# Altium PCB YA-S-PCB-V1.0.PcbDoc
Units mm, origin at the board's own origin, x right, y up, seen from the top; angles counter-clockwise.
Board outline 100.13 x 68.03 mm, 2 copper layers (Top Layer, Bottom Layer); 92 components, 56 nets, 295 pads, 313 vias.
Unrouted connection lines stored in the file: 1.
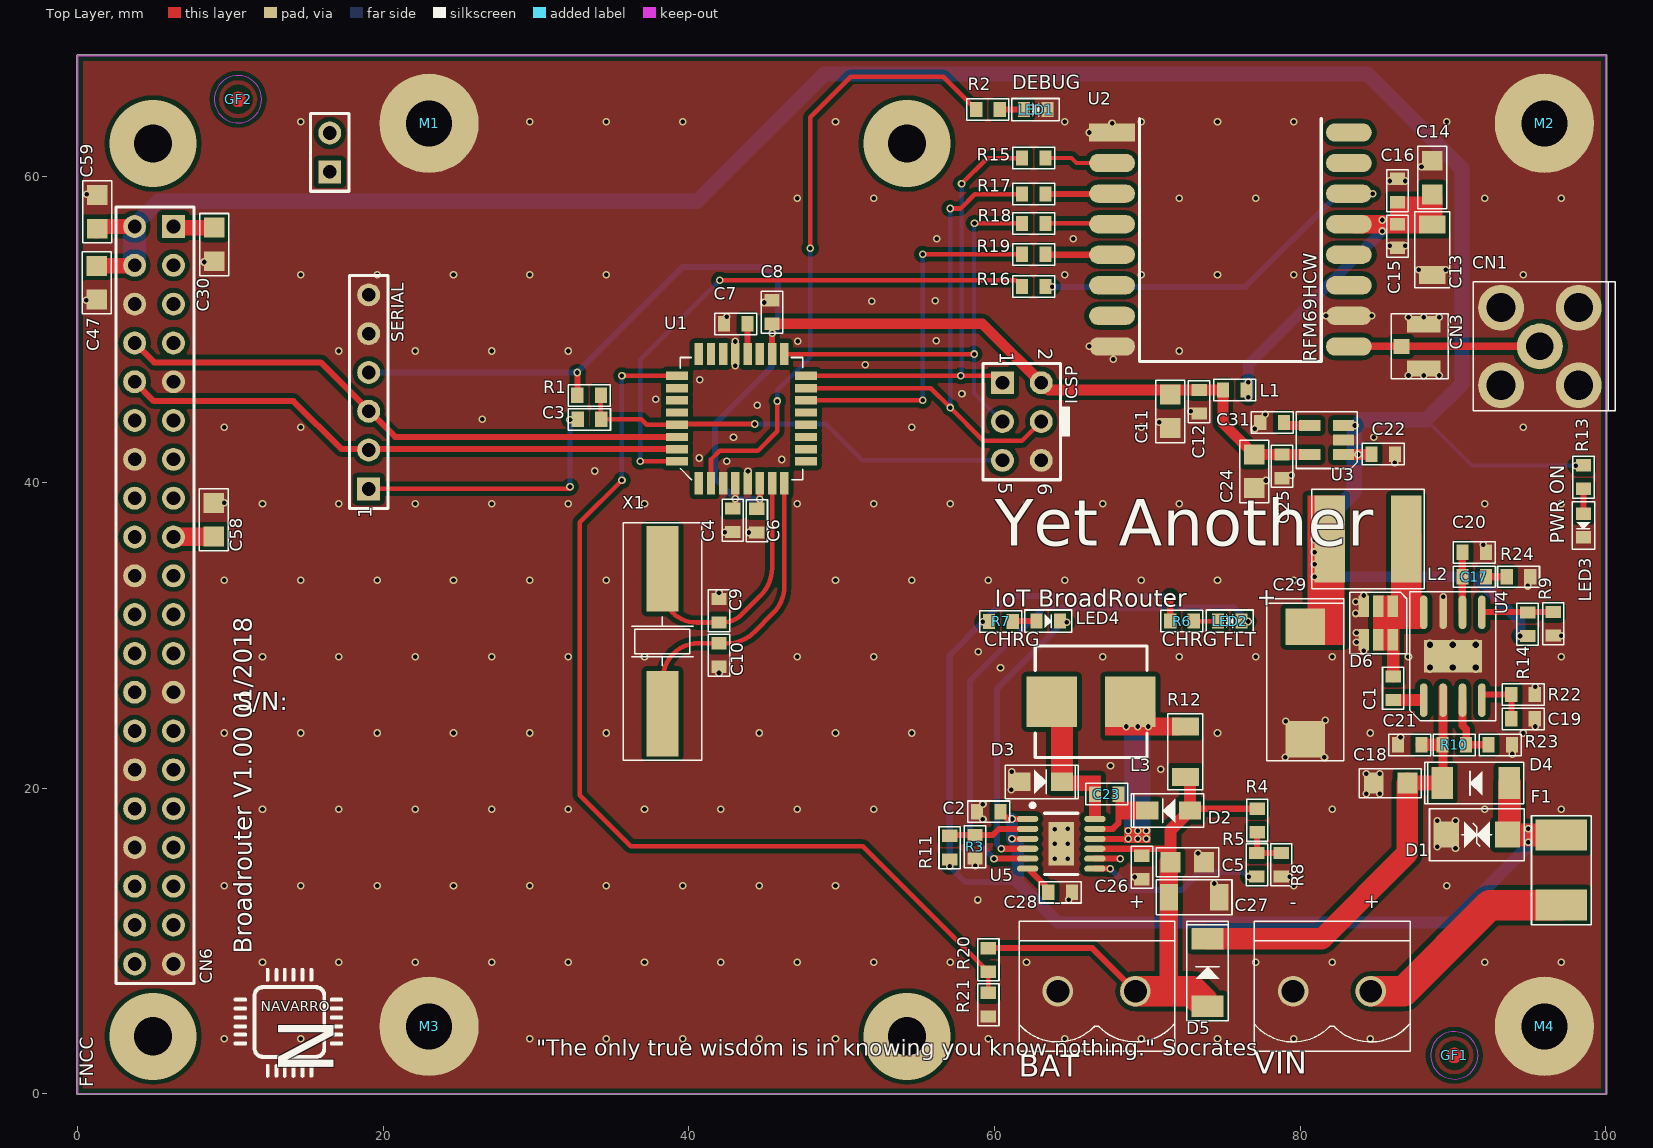
[diagram p0: Top Layer view]
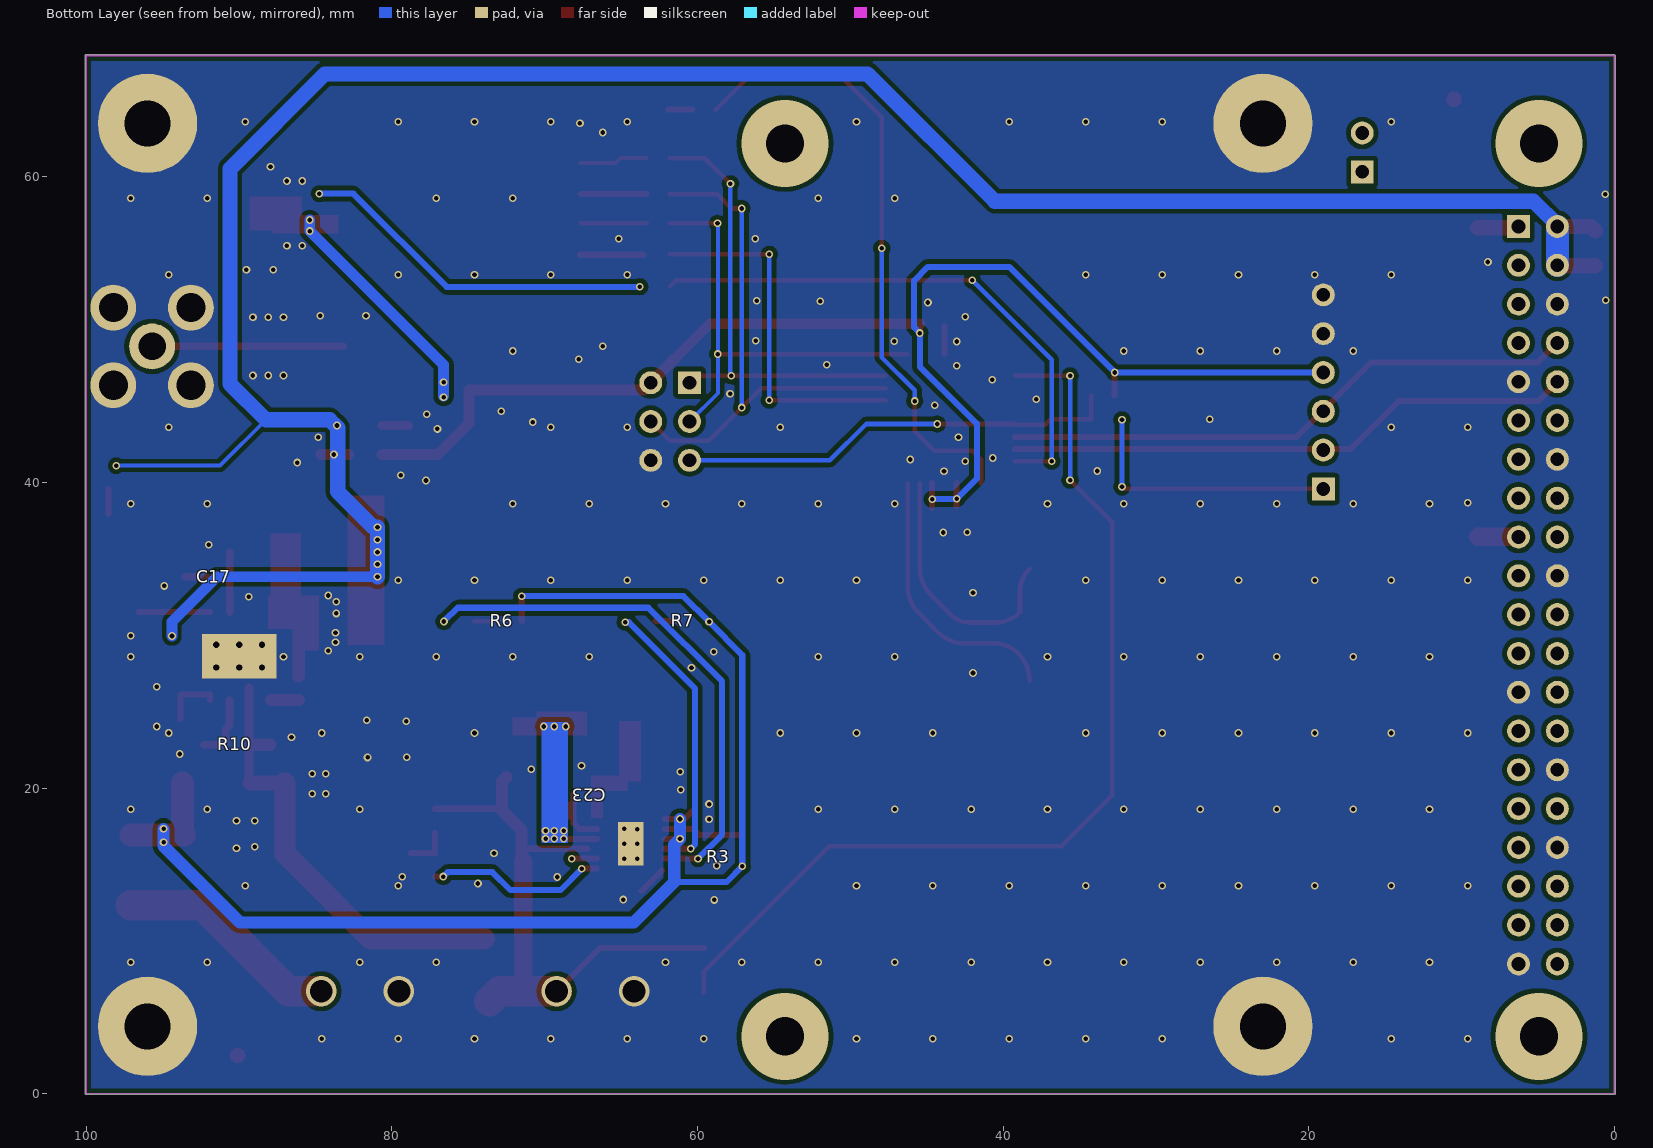
[diagram p1: Bottom Layer view, seen from below]

## Layer stack, top to bottom
Top Solder: solder mask 0.0102, Solder Resist, Dk 3.5
Top Layer: signal copper 0.0356
Dielectric 1: dielectric 0.32, FR-4, Dk 4.8
Bottom Layer: signal copper 0.0356
Bottom Solder: solder mask 0.0102, Solder Resist, Dk 3.5

## Board outline
0,-0.05 cw(c0,0) -0.05,0 -0.05,67.933 cw(c0,67.933) 0,67.983 100.025,67.983 cw(c100.025,67.933) 100.075,67.933 100.075,0 cw(c100.025,0) 100.025,-0.05

## Design rules (kind name [scope] priority, off if disabled: settings)
Clearance [All] p1: gap=0.3 ignorepadtopadclearanceinfootprint=FALSE except(0: Arc-Hole Track-Hole SMDPad-Hole THPad-Hole Via-Hole Fill-Hole Poly-Hole Region-Hole Text-Hole)
PolygonConnect [All] p1: connectstyle=Direct reliefconductorwidth=0.254 reliefentries=4 polygonreliefangle="90 Angle" airgapwidth=0.254
RoutingVias [All] p1: holewidth=0.711 width=1.27 viastyle="Through Hole" minholewidth=0.711 minwidth=1.27 maxholewidth=0.711 maxwidth=1.27
SolderMaskExpansion [All] p1: expansion=0.102
Width [All] p1: maxlimit=10 minlimit=0.254 preferedwidth=0.254 minimp=50.000000 maximp=50.000000 favimp=50.000000
30 further rules are at their usual default settings.

## Classes and differential pairs
component class EnviMote-S-Bloco-V1.0: GF1 GF2 M1 M2 M3 M4
component class Microcontrolador: C3 C4 C6 C7 C8 C9 C10 ICSP LED1 R1 R2 R20 R21 SERIAL U1 X1
component class Radio: C11 C12 C13 C14 C15 C16 CN1 CN3 L1 R15 R16 R17 R18 R19 U2
component class Fonte: BAT C1 C2 C5 C17 C18 C19 C20 C21 C22 C23 C24 C25 C26 C27 C28 C29 C31 D1 D2 D3 D4 D5 D6 D? F1 L2 L3 LED2 LED3 LED4 R3 R4 R5 R6 R7 R8 R9 R10 R11 R12 R13 R14 R22 R23 R24 U3 U4 U5 VIN
component class RaspberryPi: C30 C47 C58 C59 CN6 CN7

## Components (designator, comment, footprint, x,y, rotation, side; value= is the part's Value field where it differs from the comment)
BAT "Block" "CONN SHRD.BL2 RCPT/ V" 64.15,6.7 r0 top value="Receptáculo - 2 Polos"
C1 "Capacitor Cerâmico" CC0603 86.1,26.525 r270 top value=100nF
C2 "Capacitor Cerâmico" CC0603 59.625,18.45 r0 top value=100nF
C3 "Capacitor Cerâmico" CC0603 33.5,44.125 r0 top value=100nF
C4 "Capacitor Cerâmico" CC0603 42.875,37.525 r90 top value=100nF
C5 "Capacitor Cerâmico" CC0805 72.625,15.15 r180 top value=10uF
C6 "Capacitor Cerâmico" CC0603 44.45,37.5 r90 top value=100nF
C7 "Capacitor Cerâmico" CC0603 43.075,50.375 r0 top value=100nF
C8 "Capacitor Cerâmico" CC0603 45.45,51.15 r270 top value=1uF
C9 "Capacitor Cerâmico" CC0603 41.975,31.6 r270 top value=36pF
C10 "Capacitor Cerâmico" CC0603 41.975,28.7 r90 top value=36pF
C11 "Capacitor Cerâmico" CC0805 71.5,44.65 r90 top value=10uF
C12 "Capacitor Cerâmico" CC0603 73.4,45.275 r90 top value=100nF
C13 "Capacitor Cerâmico" CC1206 88.65,55.225 r90 top value=100uF
C14 "Capacitor Cerâmico" CC0805 88.65,59.95 r270 top value=10uF
C15 "Capacitor Cerâmico" CC0603 86.375,56.125 r90 top value=1uF
C16 "Capacitor Cerâmico" CC0603 86.375,59.1 r270 top value=100nF
C17 "Capacitor Cerâmico" CC0603 91.4,33.825 r180 top value=180pF
C18 "Capacitor Cerâmico" CC0805 85.925,20.325 r0 top value=10uF
C19 "Capacitor Cerâmico" CC0603 94.6,24.525 r180 top value=15nF
C20 "Capacitor Cerâmico" CC0603 91.4,35.425 r180 top value=10pF
C21 "Capacitor Cerâmico" CC0603 87.175,22.825 r0 top value=100nF
C22 "Capacitor Cerâmico" CC0603 85.45,41.85 r180 top value=100nF
C23 "Capacitor Cerâmico" CC0603 67.35,19.6 r180 top value=1uF
C24 "Capacitor Cerâmico" CC0805 77,40.725 r90 top value=10uF
C25 "Capacitor Cerâmico" CC0603 78.825,41.05 r90 top value=100nF
C26 "Capacitor Cerâmico" CC0603 69.65,14.8 r90 top value=100nF
C27 "Capacitor Cerâmico" CC1206 73.075,12.85 r180 top value=100uF
C28 "Capacitor Cerâmico" CC0603 64.3,13.175 r180 top value=1uF
C29 "Capacitor Tântalo" CPOL2917 80.35,26.875 r270 top value=220uF
C30 "Capacitor Cerâmico" CC0805 8.95,55.575 r90 top value=10uF
C31 "Capacitor Cerâmico" CC0603 78.175,43.925 r0 top value=10nF
C47 "Capacitor Cerâmico" CC0805 1.25,53.075 r90 top value=10uF
C58 "Capacitor Cerâmico" CC0805 8.9,37.55 r270 top value=10uF
C59 "Capacitor Cerâmico" CC0805 1.275,57.7 r270 top value=10uF
CN1 "Conn SMA" "CONN SMA-JACK" 95.7,48.9 r270 top value=SMA
CN3 "UMCC" "CONN U.FL" 88.1,48.9 r270 top
CN6 "RaspBerry Pi 2" MOD_RASPBERRY.PI2 1.5,65.325 r270 top locked
CN7 "Raspberry Pi 2" N/A 49.106,103.009 r90 top value=CPU
D1 "SMAJ15CA" "SMA BIDIR" 91.575,16.95 r0 top value=TVS
D2 "MBR0520L" SOD-123F 71.4,18.525 r180 top value=Vf=385mV@500mA
D3 "MBR0520L" SOD-123F 63.025,20.4 r0 top value=Vf=385mV@500mA
D4 "PMEG3030EP" SOD-128 91.5,20.325 r180 top value="Vf=360mV @ 3A"
D5 "PMEG3030EP" SOD-128 73.95,7.925 r90 top value="Vf=360mV @ 3A"
D6 "ZLLS2000" SOT-23-6N 85.125,30.8 r270 top
F1 "Thermistor" CC1812 97.1,14.625 r270 top
GF1 "Fiducial" "FIDUCIAL 1mm" 90.1,2.5 r0 top
GF2 "Fiducial" "FIDUCIAL 1mm" 10.5,65.075 r0 top
ICSP "Header 3X2" "CONN HDR2X3" 60.525,46.525 r270 top value=Macho
L1 "Bead" CC0603 75.725,46.05 r0 top value=1K@100MHz
L2 "Indutor" NR2424 84.45,36.3 r180 top value=3uH
L3 "Indutor" "MURATA 4600" 66.325,25.65 r0 top value=68uH
LED1 "LED" "LED 0603" 62.7,64.4 r0 top value=VD
LED2 "LED" "LED 0603" 75.4,30.925 r0 top value=VM
LED3 "LED" "LED 0603" 98.55,37.175 r270 top value=VD
LED4 "LED" "LED 0603" 63.525,30.925 r0 top value=VM
M1 "Furo de Fixação" Furo_M3 23,63.5 r0 top value=M3
M2 "Furo de Fixação" Furo_M3 96,63.5 r0 top value=M3
M3 "Furo de Fixação" Furo_M3 23,4.4 r0 top value=M3
M4 "Furo de Fixação" Furo_M3 96,4.4 r0 top value=M3
R1 "Resistor" CC0603 33.475,45.7 r180 top value=10K
R2 "Resistor" CC0603 59.575,64.4 r180 top value=1K
R3 "Resistor" CC0603 58.725,16.15 r90 top value=*R
R4 "Resistor" CC0603 77.2,17.875 r90 top value=47k
R5 "Resistor" CC0603 77.175,14.975 r270 top value=220k
R6 "Resistor" CC0603 72.275,30.925 r180 top value=10K
R7 "Resistor" CC0603 60.425,30.9 r180 top value=10K
R8 "Resistor" CC0603 78.775,14.975 r90 top value=220k
R9 "Resistor" CC0603 96.575,30.75 r90 top value=11K8
R10 "Resistor" CC0603 90.1,22.825 r180 top value=150K
R11 "Resistor" CC0603 57.075,16.1 r270 top value=*R
R12 "Resistor" CC1206 72.5,22.375 r270 top value=0.22R
R13 "Resistor" CC0603 98.55,40.35 r90 top value=1K
R14 "Resistor" CC0603 94.9,30.725 r270 top value=62K
R15 "Resistor" CC0603 62.575,61.225 r0 top value=560R
R16 "Resistor" CC0603 62.575,52.825 r180 top value=560R
R17 "Resistor" CC0603 62.575,58.875 r0 top value=560R
R18 "Resistor" CC0603 62.575,56.95 r0 top value=560R
R19 "Resistor" CC0603 62.575,54.925 r0 top value=560R
R20 "Resistor" CC0603 59.6,8.75 r90 top value=*R
R21 "Resistor" CC0603 59.6,5.825 r90 top value=*R
R22 "Resistor" CC0603 94.6,26.125 r180 top value=1M
R23 "Resistor" CC0603 93.1,22.825 r180 top value=48K7
R24 "Resistor" CC0603 94.3,33.825 r180 top value=75K
SERIAL "Header 6" "CONN HDR1X6" 19.05,39.575 r90 top value="Barra de 40 pinos - ATENÇÃO"
U1 "ATMEGA328P" TQFP-32N 43.45,44.175 r90 top
U2 "RFM69HCW" RFM69HCW 67.7,62.9 r0 top value="Rádio 915Mhz"
U3 "TPS79333DBVR" SOT-23-5N 81.75,42.775 r180 top
U4 "TPS54332" SOIC-8N-EP 90,28.625 r90 top
U5 "LT3652" MSOP-12N_EP 64.375,16.35 r0 top
VIN "Block" "CONN SHRD.BL2 RCPT/ V" 79.55,6.7 r0 top value="Receptáculo - 2 Polos"
X1 "16Mhz" HC/49US 38.275,29.6 r270 top value=20pF/40R

## Footprints (in the part's own frame and the unit in brackets; to place one, negate y for a bottom-side part, rotate by r counter-clockwise, add the part's x,y. Pads: shape width x height; smd on the part's side, far side on the other; paste and mask are expansions set on the pad)
CC0603 [mm] "Chip Resistor, 2-Leads, Body 1,6x0,8mm, IPC Medium Density"
  rect 0.8x1 smd: 1(-0.77,0) 2(0.77,0)
  silkscreen extent -1.38,-0.7 1.38,0.7, body extent -0.8,-0.42 0.8,0.43, height 0.45
CC0805 [mm] "Chip Resistor, 2-Leads, Body 2,0x1,2mm, IPC Medium Density"
  rect 1.3x1.35 smd: 1(-1.1,0) 2(1.1,0)
  silkscreen extent -2.05,-0.95 2.02,0.95, body extent -1,-0.62 1,0.63, height 0.6
CC1206 [mm] "Chip Resistor, 2-Leads, Body 3,2x1,6mm, IPC Medium Density"
  rect 1.2x1.75 smd: 1(-1.65,0) 2(1.65,0)
  silkscreen extent -2.47,-1.15 2.47,1.15, body extent -1.6,-0.8 1.6,0.8, height 1
CC1812 [mm] "Chip Resistor, 2-Leads, Body 4,5x3,2mm, IPC Medium Density"
  rect 2.03x3.35 smd: 1(-2.286,0) 2(2.286,0)
  silkscreen extent -3.57,-1.95 3.57,1.95, body extent -2.27,-1.63 2.28,1.63, height 3.2
"CONN HDR1X6" [mm] "Connector; Header; 6 Position"
  rect 1.5x1.5 hole 0.9: 1(0,0)
  round 1.5 hole 0.9: 2(2.54,0) 3(5.08,0) 4(7.62,0) 5(10.16,0) 6(12.7,0)
  silkscreen extent -1.27,-1.27 13.97,1.27, body extent -1.27,-1.27 13.97,1.27, height 8.51
"CONN HDR2X3" [mm] "Connector; Header; 3x2 Position"
  rect 1.5x1.5 hole 0.9: 1(0,0)
  round 1.5 hole 0.9: 2(0,2.54) 3(2.54,0) 4(2.54,2.54) 5(5.08,0) 6(5.08,2.54)
  silkscreen extent -1.27,-1.27 6.35,3.81, body extent -1.27,-1.27 6.35,3.81, height 8.49
"CONN SHRD.BL2 RCPT/ V" [mm] "Conector Header Shrouded Bloc. 2 Pin - Macho"
  round 2 hole 1.5: 1(0,0) 2(5.08,0)
  silkscreen extent -2.54,-3.94 7.65,4.57, body extent -2.54,-3.94 7.66,4.57, height 12
"CONN SMA-JACK" [mm]
  round 3 hole 1.8: 1(0,0)
  round 3 hole 1.9: 2(2.54,-2.54) 3(2.54,2.54) 4(-2.54,2.54) 5(-2.54,-2.54)
  silkscreen extent -4.22,-4.37 4.22,4.93, body extent -3.17,-3.15 3.17,11.05, height 10.48
"CONN U.FL" [mm] "LCC, 4-Pins, Body 3,4x5,2mm (max), Pitch 2,70mm, IPC High Density"
  rect 1x1.05 smd: 1(0,-1.452)
  rect 1.05x2.2 smd: 2(-1.452,0) 2(1.452,0)
  silkscreen extent -2.13,-2.12 2.12,1.61, body extent -1.5,-1.55 1.5,1.55, height 1.26
CPOL2917 [mm] "Molded Capacitor, 2-Leads, Body 7,3x4,3mm, IPC Medium Density"
  rect 2.4x2.6 smd: 1(-3.683,0) 2(3.683,0)
  silkscreen extent -5.53,-2.52 5.08,2.52, body extent -3.75,-2.25 3.75,2.25, height 4.31
"FIDUCIAL 1mm" [mm] "Guia fiducial sem uso de PAD"
  Top Layer region: 0,-0.5 -0.191,-0.462 -0.354,-0.354 -0.462,-0.191 -0.5,0 -0.5,0 -0.462,0.191 -0.354,0.354 -0.191,0.462 0,0.5 0,0.5 0.191,0.462 0.354,0.354 0.462,0.191 0.5,0 0.5,0 0.462,-0.191 0.354,-0.354 0.191,-0.462 0,-0.5
  Top Layer keep-out circle w0.01: c0,0 r1.55
Furo_M3 [mm] "Furo metalizado para parafuso M3"
  round 6.5 hole 3 paste+0: X(0,0)
  body extent -2.8,-2.8 2.8,2.8, height 2.38
HC/49US [mm] "Crystal, 2-Leads, Body 11,5x4,7mm, IPC Low Density"
  rect 5.6x2.1 smd: 1(-4.75,0) 2(4.75,0)
  silkscreen extent -7.77,-2.58 7.78,2.58, body extent -6.15,-2.25 6.15,2.25, height 5.18
"LED 0603" [mm] "Chip Diode, 2-Leads, Body 1,6x0,8mm, IPC Medium Density"
  rect 0.8x1 smd: 1(-0.77,0) 2(0.77,0)
  silkscreen extent -1.55,-0.72 1.55,0.72, body extent -0.82,-0.43 0.82,0.43, height 0.8
MOD_RASPBERRY.PI2 [mm]
  rect 1.5x1.5 hole 0.9: 1(8.576,4.773) 41(5,15)
  round 1.5 hole 0.9: 2(8.576,2.233) 3(11.116,4.773) 4(11.116,2.233) 5(13.656,4.773) 6(13.656,2.233) 7(16.196,4.773) 8(16.196,2.233) 9(18.736,4.773) 10(18.736,2.233) 11(21.276,4.773) 12(21.276,2.233) 13(23.816,4.773) 14(23.816,2.233) 15(26.356,4.773) 16(26.356,2.233) 17(28.896,4.773) 18(28.896,2.233) 19(31.436,4.773) 20(31.436,2.233) 21(33.976,4.773) 22(33.976,2.233) 23(36.516,4.773) 24(36.516,2.233) 25(39.056,4.773) 26(39.056,2.233) 27(41.596,4.773) 28(41.596,2.233) 29(44.136,4.773) 30(44.136,2.233) 31(46.676,4.773) 32(46.676,2.233) 33(49.216,4.773) 34(49.216,2.233) 35(51.756,4.773) 36(51.756,2.233) 37(54.296,4.773) 38(54.296,2.233) 39(56.836,4.773) 40(56.836,2.233) 42(2.46,15)
  silkscreen extent 1.19,1.03 58.11,16.27, body extent 0,0 87.41,56.31, height 14.55
MSOP-12N_EP [mm]
  oval 1.4x0.4 smd: 1(-2.2,1.625) 2(-2.2,0.975) 3(-2.2,0.325) 4(-2.2,-0.325) 5(-2.2,-0.975) 6(-2.2,-1.625) 7(2.2,-1.625) 8(2.2,-0.975) 9(2.2,-0.325) 10(2.2,0.325) 11(2.2,0.975) 12(2.2,1.625)
  rect 1.66x2.85 all layers, no hole: 13(0,0)
  silkscreen extent -2,-2 1.1,2.64, body extent -1.5,-2 1.5,2, height 0.86
"MURATA 4600" [mm] "Molded Inductor, 2-Leads, Body 7,30x7,30mm, IPC Medium Density"
  rect 3.3x3.3 smd: 1(-2.575,0) 2(2.575,0)
  silkscreen extent -3.65,-3.65 3.65,3.65, body extent -3.65,-3.65 3.65,3.65, height 4.55
N/A [mm]
NR2424 [mm] "Power Wire Wound Inductor, 2-Leads, Body 6,0x6,0mm, IPC Medium Density"
  rect 2x5.7 smd: 1(-2.5,0) 2(2.5,0)
  silkscreen extent -3.67,-3.25 3.67,3.25, body extent -3,-3 3,3, height 1.2
RFM69HCW [mm]
  rect 3x1.2 smd: 1(0,0)
  oval 3x1.2 smd: 2(0,-2) 3(0,-4) 4(0,-6) 5(0,-8) 6(0,-10) 7(0,-12) 8(0,-14) 9(15.5,-14) 10(15.5,-12) 11(15.5,-10) 12(15.5,-8) 13(15.5,-6) 14(15.5,-4) 15(15.5,-2) 16(15.5,0)
  silkscreen extent 1.81,-15 13.69,0.9, body extent -0.27,-14.97 15.73,0.93, height 2.29
"SMA BIDIR" [mm] "Molded Diode, 2-Leads, Body 4,3x2,5mm, IPC Medium Density"
  rect 1.65x1.7 smd: 1(-2,0) 2(2,0)
  silkscreen extent -3.1,-1.7 3.1,1.7, body extent -2.29,-1.39 2.28,1.4, height 2.31
SOD-123F [mm] "Molded Diode, 2-Leads, Body 2,6x1,7mm, IPC Medium Density"
  rect 1.45x1.2 smd: 1(-1.4,0) 2(1.4,0)
  silkscreen extent -2.3,-1.1 2.45,1.1, body extent -1.4,-0.95 1.4,0.95, height 1.11
SOD-128 [mm] "Molded Diode, 2-Leads, Body 3,8x2,4mm, IPC High Density"
  rect 1.4x2.1 smd: 1(-2.2,0) 2(2.2,0)
  silkscreen extent -3.15,-1.35 3.35,1.35, body extent -1.95,-1.25 1.95,1.25, height 0.9
SOIC-8N-EP [mm] "SOIC, 8-Leads, Body 4.9x3.9mm, Pitch 1.27mm, IPC Medium Density"
  oval 2.2x0.5 smd: 1(-2.875,1.905) 2(-2.875,0.635) 3(-2.875,-0.635) 4(-2.875,-1.905) 5(2.875,-1.905) 6(2.875,-0.635) 7(2.875,0.635) 8(2.875,1.905)
  rect 2.13x3.8 / inner rect 2.94x4.89 / far side rect 2.94x4.89 hole 0.4 copper offset 0.75,0: 9(-0.75,0)
  silkscreen extent -4.24,-2.8 4.23,2.8, body extent -2,-2.5 2,2.5, height 1.75
SOT-23-5N [mm] "SOT23, 5-Leads, Body 3,1x2,7mm (max), Pitch 0,95mm, IPC Medium Density"
  rect 1.4x0.7 smd: 1(-1.1,0.95) 2(-1.1,0) 3(-1.1,-0.95) 4(1.1,-0.95) 5(1.1,0.95)
  silkscreen extent -2.01,-1.86 2,1.86, body extent -1.4,-1.45 1.4,1.45, height 1.09
SOT-23-6N [mm] "SOT23, 6-Leads, Body 3,1x2,7mm (max), Pitch 0,95mm, IPC Medium Density"
  rect 1.4x0.7 smd: 1(-1.1,0.95) 2(-1.1,0) 3(-1.1,-0.95) 4(1.1,-0.95) 5(1.1,0) 6(1.1,0.95)
  silkscreen extent -2.01,-1.86 2,1.86, body extent -1.5,-1.5 1.5,1.5, height 1.4
TQFP-32N [mm] "TQFP, 32-Leads, Body 7.00x7.00mm, Pitch 0.80mm, IPC Medium Density"
  rect 1.45x0.55 smd: 1(-4.225,2.8) 2(-4.225,2) 3(-4.225,1.2) 4(-4.225,0.4) 5(-4.225,-0.4) 6(-4.225,-1.2) 7(-4.225,-2) 8(-4.225,-2.8) 17(4.225,-2.8) 18(4.225,-2) 19(4.225,-1.2) 20(4.225,-0.4) 21(4.225,0.4) 22(4.225,1.2) 23(4.225,2) 24(4.225,2.8)
  rect 0.55x1.45 smd: 9(-2.8,-4.225) 10(-2,-4.225) 11(-1.2,-4.225) 12(-0.4,-4.225) 13(0.4,-4.225) 14(1.2,-4.225) 15(2,-4.225) 16(2.8,-4.225) 25(2.8,4.225) 26(2,4.225) 27(1.2,4.225) 28(0.4,4.225) 29(-0.4,4.225) 30(-1.2,4.225) 31(-2,4.225) 32(-2.8,4.225)
  silkscreen extent -4,-4 4,4, body extent -4.5,-4.5 4.5,4.5, height 1.5

## Part data
BAT VIN: library part "SHRD Block 2P RCPT-V P5.08mm", "Conector Shrouded Block", Supplier Part Number 1=A98321-ND, ChinesePrice=0,03930, Chinês=Local, ComponentLink1Description=Datasheet, ComponentLink1URL=D:\Tecnoclade\Datasheet\!DataMissing.pdf, Corrente=15A, Supplier 1=Digi-Key, Tensão=300V
C1 C3 C4 C6 C7 C12 C16 C22 C25: library part "Cap 100nF 50V 0603 X7R", "Capacitor (Semiconductor SIM Model)", Supplier Part Number 1=1276-1000-1-ND, Tolerância=±10%, ChinesePrice=0,00250, Chinês=Local, ComponentLink1Description=Datasheet, ComponentLink1URL=D:\Tecnoclade\Datasheet\!DataMissing.pdf, Corrente=*A, Obs=X7R, Potência=*W, Supplier 1=Digi-Key, Tensão=50V
C2 C21 C26: library part "Cap 100nF 25V 0603 X7R", "Capacitor (Semiconductor SIM Model)", Supplier Part Number 1=490-1524-1-ND, Tolerância=±10%, ChinesePrice=0,00246, Chinês=Local, ComponentLink1Description=Datasheet, ComponentLink1URL=D:\Tecnoclade\Datasheet\!DataMissing.pdf, Corrente=*A, Obs=X7R, Potência=*W, Supplier 1=Digi-Key
  C2 C21: Tensão=25V
C5: library part "Cap 10uF 50V 1206 X5R", "Capacitor (Semiconductor SIM Model)", Supplier Part Number 1=1276-2876-1-ND, Tolerância=±10%, ChinesePrice=0,00000, Chinês=-----, ComponentLink1Description=Datasheet, ComponentLink1URL=D:\Tecnoclade\Datasheet\!DataMissing.pdf, Corrente=*A, Obs="X5R, CL31A106KBHNNNE", Potência=*W, Supplier 1=Digi-Key
C8 C15 C23 C28: library part "Cap 1uF 50V 0603 X5R", "Capacitor (Semiconductor SIM Model)", Supplier Part Number 1=587-2400-1-ND, Tolerância=±10%, ChinesePrice=0,01100, Chinês=Local, ComponentLink1Description=Datasheet, ComponentLink1URL=D:\Tecnoclade\Datasheet\!DataMissing.pdf, Corrente=*A, Obs=X5R, Potência=*W, Supplier 1=Digi-Key
  C8 C15 C28: Tensão=50V
C9 C10: library part "Cap - $Val $V $Footprint $Classe_1", "Capacitor (Semiconductor SIM Model)", Supplier Part Number 1=1276-1187-1-ND, Tolerância=±*%, ChinesePrice=0,00000, Chinês=----, ComponentLink1Description=Datasheet, ComponentLink1URL=D:\Tecnoclade\Datasheet\!DataMissing.pdf, Corrente=*A, Potência=*W, Supplier 1=Digi-Key, Tensão=50v
C11 C14 C18 C24 C30 C47 C58 C59: library part "Cap 10uF 25V 0805 X5R", "Capacitor (Semiconductor SIM Model)", Supplier Part Number 1=587-2985-1-ND, Tolerância=±10%, ChinesePrice=0,02620, Chinês=Local, ComponentLink1Description=Datasheet, ComponentLink1URL=D:\Tecnoclade\Datasheet\!DataMissing.pdf, Corrente=*A, Obs=X5R, Potência=*W, Supplier 1=Digi-Key, Tensão=25V
C13 C27: library part "Cap 100uF 6.3V 1206 X5R", "Capacitor (Semiconductor SIM Model)", Supplier Part Number 1=490-7217-1-ND, Tolerância=±20%, ChinesePrice=0,00000, Chinês=-----, ComponentLink1Description=Datasheet, ComponentLink1URL=D:\Tecnoclade\Datasheet\!DataMissing.pdf, Corrente=*A, Obs=X5R, Potência=*W, Supplier 1=Digi-Key, Tensão=6.3V